# KiCad board ClockIOT.kicad_pcb (continued)
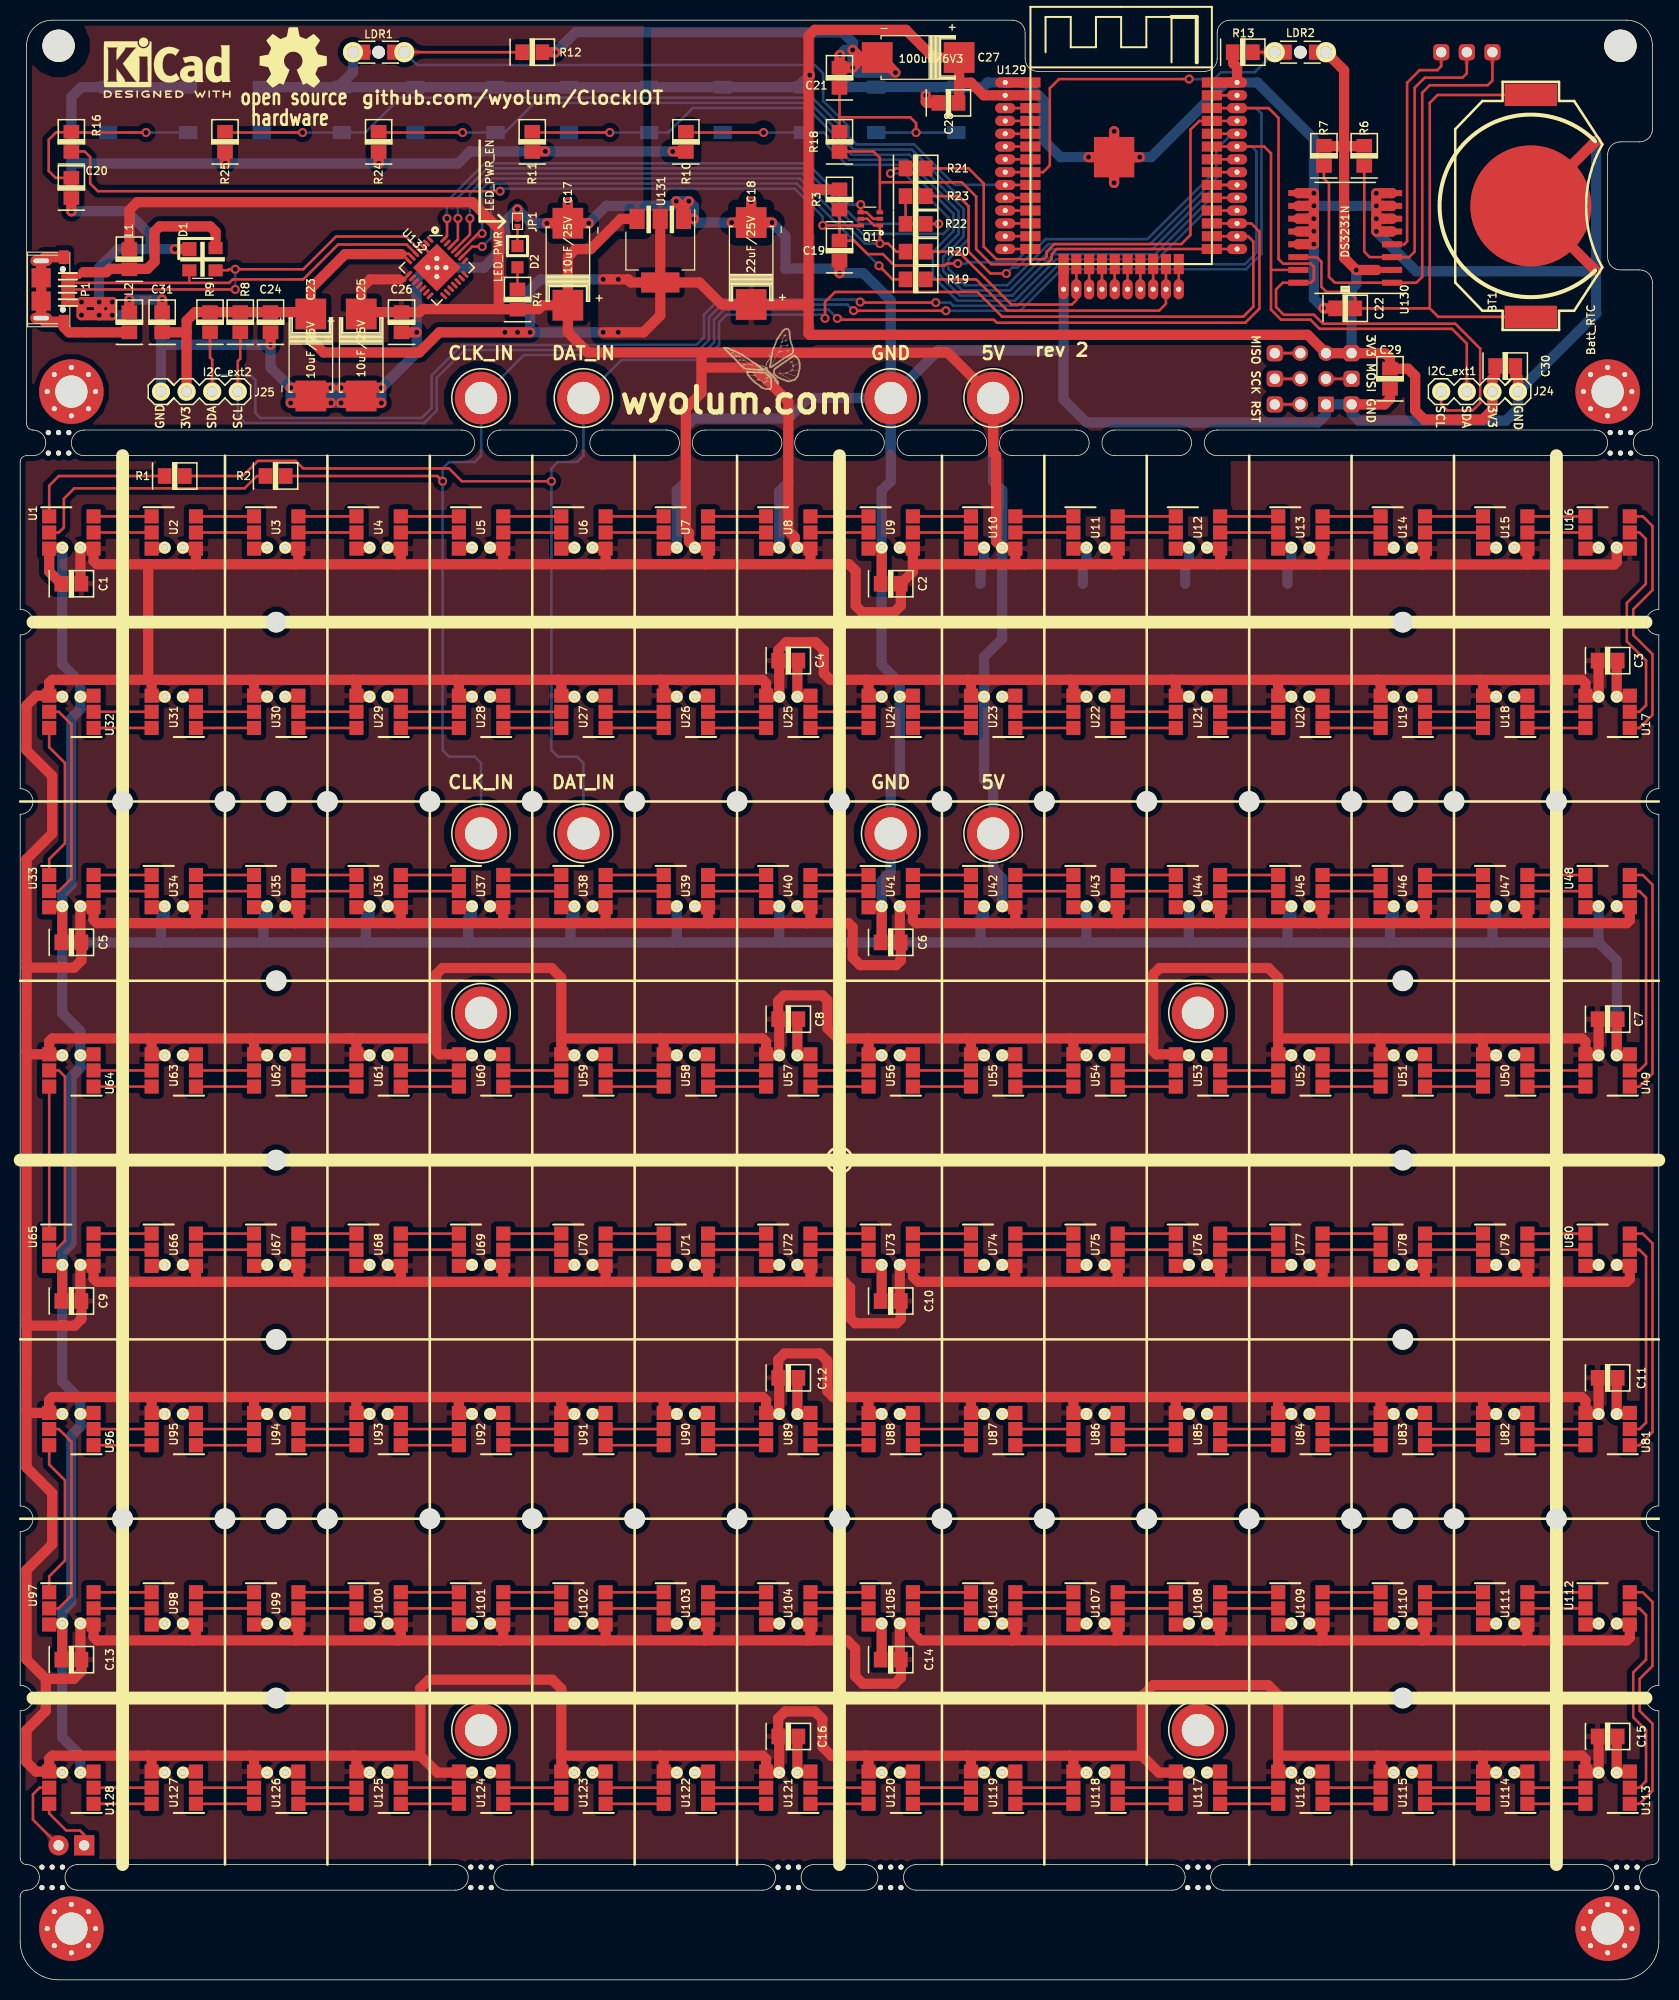
[diagram p0: board, top side]
## Nets
/3V3: C18.1 C23.1 C24.1 C27.1 C28.1 C29.1 C30.2 C31.2 J18.1 J20.2 J24.3 J25.3 LDR1.1 LDR2.1 R3.1 R6.1 R7.1 R8.1 R9.1 S1.1 S1.3 S2.1 S2.3 S5.1 S5.3 S6.1 S6.3 U129.2 U130.2 U131.2 U132.6 U132.7
/5V: C1.1 C2.1 C3.2 C4.2 C5.1 C6.1 C7.2 C8.2 C9.1 C10.1 C11.2 C12.2 C13.1 C14.1 C15.2 C16.2 C17.1 C25.1 C26.1 J7.1 J15.1 L1.1 R4.2 U1.4 U2.4 U3.4 U4.4 U5.4 U6.4 U7.4 U8.4 U9.4 U10.4 U11.4 U12.4 U13.4 U14.4 U15.4 U16.4 U17.4 U18.4 U19.4 U20.4 U21.4 U22.4 U23.4 U24.4 U25.4 U26.4 U27.4 U28.4 U29.4 U30.4 U31.4 U32.4 U33.4 U34.4 U35.4 U36.4 U37.4 U38.4 U39.4 U40.4 U41.4 U42.4 U43.4 U44.4 U45.4 U46.4 U47.4 U48.4 U49.4 U50.4 U51.4 U52.4 U53.4 U54.4 U55.4 U56.4 U57.4 U58.4 U59.4 U60.4 U61.4 U62.4 U63.4 U64.4 U65.4 U66.4 U67.4 U68.4 U69.4 U70.4 U71.4 U72.4 U73.4 U74.4 U75.4 U76.4 U77.4 U78.4 U79.4 U80.4 U81.4 U82.4 U83.4 U84.4 U85.4 U86.4 U87.4 U88.4 U89.4 U90.4 U91.4 U92.4 U93.4 U94.4 U95.4 U96.4 U97.4 U98.4 U99.4 U100.4 U101.4 U102.4 U103.4 U104.4 U105.4 U106.4 U107.4 U108.4 U109.4 U110.4 U111.4 U112.4 U113.4 U114.4 U115.4 U116.4 U117.4 U118.4 U119.4 U120.4 U121.4 U122.4 U123.4 U124.4 U125.4 U126.4 U127.4 U128.4 U131.3 U132.8
GND: BT1.2 C1.2 C2.2 C3.1 C4.1 C5.2 C6.2 C7.1 C8.1 C9.2 C10.2 C11.1 C12.1 C13.2 C14.2 C15.1 C16.1 C17.2 C18.2 C19.2 C20.2 C21.1 C22.2 C23.2 C24.2 C25.2 C26.2 C27.2 C28.2 C29.2 C30.1 C31.1 D1.1 J8.1 J16.1 J20.6 J23.1 J24.4 J25.4 JP1.1 L2.1 P1.5 R10.2 R11.2 R12.1 R13.2 R24.2 R25.2 S3.1 S3.3 S4.1 S4.3 U1.3 U2.3 U3.3 U4.3 U5.3 U6.3 U7.3 U8.3 U9.3 U10.3 U11.3 U12.3 U13.3 U14.3 U15.3 U16.3 U17.3 U18.3 U19.3 U20.3 U21.3 U22.3 U23.3 U24.3 U25.3 U26.3 U27.3 U28.3 U29.3 U30.3 U31.3 U32.3 U33.3 U34.3 U35.3 U36.3 U37.3 U38.3 U39.3 U40.3 U41.3 U42.3 U43.3 U44.3 U45.3 U46.3 U47.3 U48.3 U49.3 U50.3 U51.3 U52.3 U53.3 U54.3 U55.3 U56.3 U57.3 U58.3 U59.3 U60.3 U61.3 U62.3 U63.3 U64.3 U65.3 U66.3 U67.3 U68.3 U69.3 U70.3 U71.3 U72.3 U73.3 U74.3 U75.3 U76.3 U77.3 U78.3 U79.3 U80.3 U81.3 U82.3 U83.3 U84.3 U85.3 U86.3 U87.3 U88.3 U89.3 U90.3 U91.3 U92.3 U93.3 U94.3 U95.3 U96.3 U97.3 U98.3 U99.3 U100.3 U101.3 U102.3 U103.3 U104.3 U105.3 U106.3 U107.3 U108.3 U109.3 U110.3 U111.3 U112.3 U113.3 U114.3 U115.3 U116.3 U117.3 U118.3 U119.3 U120.3 U121.3 U122.3 U123.3 U124.3 U125.3 U126.3 U127.3 U128.3 U129.1 U129.15 U129.38 U129.39 U130.5 U130.6 U130.7 U130.8 U130.9 U130.10 U130.11 U130.12 U130.13 U131.1 U132.3 U132.29
/CI_A: R2.2 U1.2
/CI_B: U16.5 U17.2
/CI_C: U32.5 U33.2
/CI_D: U48.5 U49.2
/CI_E: U64.5 U65.2
/CI_F: U80.5 U81.2
/CI_G: U96.5 U97.2
/CI_H: U112.5 U113.2
/CLK: U129.20
/CLK_IN: J1.1 J9.1 R2.1 U129.27
/CLK_OUT: P2.2 U128.5
/CMD: U129.19
/DAT_IN: J2.1 J10.1 R1.1 U129.26
/DAT_OUT: P2.1 U128.6
/DI_A: R1.2 U1.1
/DI_B: U16.6 U17.1
/DI_C: U32.6 U33.1
/DI_D: U48.6 U49.1
/DI_E: U64.6 U65.1
/DI_F: U80.6 U81.1
/DI_G: U96.6 U97.1
/DI_H: U112.6 U113.1
/DTR: Q1.2 Q1.4 U132.28
/EN: C19.1 Q1.6 R3.2 R16.2 U129.3
/esp_pwr_uart/CTS: R19.2 U132.23
/esp_pwr_uart/RTS: Q1.1 Q1.5 R20.2 U132.24
/esp_pwr_uart/RXD: R21.2 U132.25
/esp_pwr_uart/TXD: R22.2 R23.2
/esp_pwr_uart/USB_D+: D1.3 P1.3 U132.4
/esp_pwr_uart/USB_D-: D1.2 P1.2 U132.5
/IO0: Q1.3 R18.2 U129.25
/IO2: U129.24
/IO12: U129.14
/IO13: R20.1 U129.16
/IO14: U129.13
/IO15: R19.1 U129.23
/IO23: U129.37
/IO25: U129.10
/IO26: U129.11
/IO27: U129.12
/IO34: U129.6
/IO35: U129.7
/LDR1: LDR1.2 R12.2 U129.9
/LDR2: LDR2.2 R13.1 U129.8
/MISO: J17.1 J20.1
/MOSI: J20.4 J21.1
/NC: U129.32
/RST: J20.5 J22.1
/rtc_ds3231/32kHz: R7.2 TP3.1 U130.1
/rtc_ds3231/BAT: BT1.1 C22.1 U130.14
/rtc_ds3231/RESET: TP1.1 U130.4
/rtc_ds3231/SQR: R6.2 TP2.1 U130.3
/RXD0: R23.1 U129.34
/SCK: J19.1 J20.3
/SCL: J24.1 J25.1 R8.2 U129.36 U130.16
/SD2: U129.17
/SD3: U129.18
/SDA: J24.2 J25.2 R9.2 U129.33 U130.15
/SDI: U129.22
/SDO: U129.21
/SENSOR_VN: U129.5
/SENSOR_VP: U129.4
/SW_D: R24.1 S5.2 S5.4 U129.30
/SW_E: R10.1 S1.2 S1.4 U129.28
/SW_I: R11.1 S2.2 S2.4 U129.29
/SW_M: R25.1 S6.2 S6.4 U129.31
/TXD0: R21.1 U129.35
Net-(C20-Pad1): C20.1 R16.1 S3.2 S3.4
Net-(C21-Pad2): C21.2 R18.1 S4.2 S4.4
Net-(D1-Pad4): D1.4 L1.2 P1.1
Net-(D2-Pad1): D2.1 R4.1
Net-(D2-Pad2): D2.2 JP1.2
Net-(L2-Pad2): L2.2 P1.6
Net-(R22-Pad1): R22.1 U132.26
Net-(U1-Pad5): U1.5 U2.2
Net-(U1-Pad6): U1.6 U2.1
Net-(U2-Pad5): U2.5 U3.2
Net-(U2-Pad6): U2.6 U3.1
Net-(U3-Pad5): U3.5 U4.2
Net-(U3-Pad6): U3.6 U4.1
Net-(U4-Pad5): U4.5 U5.2
Net-(U4-Pad6): U4.6 U5.1
Net-(U5-Pad5): U5.5 U6.2
Net-(U5-Pad6): U5.6 U6.1
Net-(U6-Pad5): U6.5 U7.2
Net-(U6-Pad6): U6.6 U7.1
Net-(U7-Pad5): U7.5 U8.2
Net-(U7-Pad6): U7.6 U8.1
Net-(U8-Pad5): U8.5 U9.2
Net-(U8-Pad6): U8.6 U9.1
Net-(U10-Pad1): U9.6 U10.1
Net-(U10-Pad2): U9.5 U10.2
Net-(U10-Pad5): U10.5 U11.2
Net-(U10-Pad6): U10.6 U11.1
Net-(U11-Pad5): U11.5 U12.2
Net-(U11-Pad6): U11.6 U12.1
Net-(U12-Pad5): U12.5 U13.2
Net-(U12-Pad6): U12.6 U13.1
Net-(U13-Pad5): U13.5 U14.2
Net-(U13-Pad6): U13.6 U14.1
Net-(U14-Pad5): U14.5 U15.2
Net-(U14-Pad6): U14.6 U15.1
Net-(U15-Pad5): U15.5 U16.2
Net-(U15-Pad6): U15.6 U16.1
Net-(U17-Pad5): U17.5 U18.2
Net-(U17-Pad6): U17.6 U18.1
Net-(U18-Pad5): U18.5 U19.2
Net-(U18-Pad6): U18.6 U19.1
Net-(U19-Pad5): U19.5 U20.2
Net-(U19-Pad6): U19.6 U20.1
Net-(U20-Pad5): U20.5 U21.2
Net-(U20-Pad6): U20.6 U21.1
Net-(U21-Pad5): U21.5 U22.2
Net-(U21-Pad6): U21.6 U22.1
Net-(U22-Pad5): U22.5 U23.2
Net-(U22-Pad6): U22.6 U23.1
Net-(U23-Pad5): U23.5 U24.2
Net-(U23-Pad6): U23.6 U24.1
Net-(U24-Pad5): U24.5 U25.2
Net-(U24-Pad6): U24.6 U25.1
Net-(U25-Pad5): U25.5 U26.2
Net-(U25-Pad6): U25.6 U26.1
Net-(U26-Pad5): U26.5 U27.2
Net-(U26-Pad6): U26.6 U27.1
Net-(U27-Pad5): U27.5 U28.2
Net-(U27-Pad6): U27.6 U28.1
Net-(U28-Pad5): U28.5 U29.2
Net-(U28-Pad6): U28.6 U29.1
Net-(U29-Pad5): U29.5 U30.2
Net-(U29-Pad6): U29.6 U30.1
Net-(U30-Pad5): U30.5 U31.2
Net-(U30-Pad6): U30.6 U31.1
Net-(U31-Pad5): U31.5 U32.2
Net-(U31-Pad6): U31.6 U32.1
Net-(U33-Pad5): U33.5 U34.2
Net-(U33-Pad6): U33.6 U34.1
Net-(U34-Pad5): U34.5 U35.2
Net-(U34-Pad6): U34.6 U35.1
Net-(U35-Pad5): U35.5 U36.2
Net-(U35-Pad6): U35.6 U36.1
Net-(U36-Pad5): U36.5 U37.2
Net-(U36-Pad6): U36.6 U37.1
Net-(U37-Pad5): U37.5 U38.2
Net-(U37-Pad6): U37.6 U38.1
Net-(U38-Pad5): U38.5 U39.2
Net-(U38-Pad6): U38.6 U39.1
Net-(U39-Pad5): U39.5 U40.2
Net-(U39-Pad6): U39.6 U40.1
Net-(U40-Pad5): U40.5 U41.2
Net-(U40-Pad6): U40.6 U41.1
Net-(U41-Pad5): U41.5 U42.2
Net-(U41-Pad6): U41.6 U42.1
Net-(U42-Pad5): U42.5 U43.2
Net-(U42-Pad6): U42.6 U43.1
Net-(U43-Pad5): U43.5 U44.2
Net-(U43-Pad6): U43.6 U44.1
Net-(U44-Pad5): U44.5 U45.2
Net-(U44-Pad6): U44.6 U45.1
Net-(U45-Pad5): U45.5 U46.2
Net-(U45-Pad6): U45.6 U46.1
Net-(U46-Pad5): U46.5 U47.2
Net-(U46-Pad6): U46.6 U47.1
Net-(U47-Pad5): U47.5 U48.2
Net-(U47-Pad6): U47.6 U48.1
Net-(U49-Pad5): U49.5 U50.2
Net-(U49-Pad6): U49.6 U50.1
Net-(U50-Pad5): U50.5 U51.2
Net-(U50-Pad6): U50.6 U51.1
Net-(U51-Pad5): U51.5 U52.2
Net-(U51-Pad6): U51.6 U52.1
Net-(U52-Pad5): U52.5 U53.2
Net-(U52-Pad6): U52.6 U53.1
Net-(U53-Pad5): U53.5 U54.2
Net-(U53-Pad6): U53.6 U54.1
Net-(U54-Pad5): U54.5 U55.2
Net-(U54-Pad6): U54.6 U55.1
Net-(U55-Pad5): U55.5 U56.2
Net-(U55-Pad6): U55.6 U56.1
Net-(U56-Pad5): U56.5 U57.2
Net-(U56-Pad6): U56.6 U57.1
Net-(U57-Pad5): U57.5 U58.2
Net-(U57-Pad6): U57.6 U58.1
Net-(U58-Pad5): U58.5 U59.2
Net-(U58-Pad6): U58.6 U59.1
Net-(U59-Pad5): U59.5 U60.2
Net-(U59-Pad6): U59.6 U60.1
Net-(U60-Pad5): U60.5 U61.2
Net-(U60-Pad6): U60.6 U61.1
Net-(U61-Pad5): U61.5 U62.2
Net-(U61-Pad6): U61.6 U62.1
Net-(U62-Pad5): U62.5 U63.2
Net-(U62-Pad6): U62.6 U63.1
Net-(U63-Pad5): U63.5 U64.2
Net-(U63-Pad6): U63.6 U64.1
Net-(U65-Pad5): U65.5 U66.2
Net-(U65-Pad6): U65.6 U66.1
Net-(U66-Pad5): U66.5 U67.2
Net-(U66-Pad6): U66.6 U67.1
Net-(U67-Pad5): U67.5 U68.2
Net-(U67-Pad6): U67.6 U68.1
Net-(U68-Pad5): U68.5 U69.2
Net-(U68-Pad6): U68.6 U69.1
Net-(U69-Pad5): U69.5 U70.2
Net-(U69-Pad6): U69.6 U70.1
Net-(U70-Pad5): U70.5 U71.2
Net-(U70-Pad6): U70.6 U71.1
Net-(U71-Pad5): U71.5 U72.2
Net-(U71-Pad6): U71.6 U72.1
Net-(U72-Pad5): U72.5 U73.2
Net-(U72-Pad6): U72.6 U73.1
Net-(U73-Pad5): U73.5 U74.2
Net-(U73-Pad6): U73.6 U74.1
Net-(U74-Pad5): U74.5 U75.2
Net-(U74-Pad6): U74.6 U75.1
Net-(U75-Pad5): U75.5 U76.2
Net-(U75-Pad6): U75.6 U76.1
Net-(U76-Pad5): U76.5 U77.2
Net-(U76-Pad6): U76.6 U77.1
Net-(U77-Pad5): U77.5 U78.2
Net-(U77-Pad6): U77.6 U78.1
Net-(U78-Pad5): U78.5 U79.2
Net-(U78-Pad6): U78.6 U79.1
Net-(U79-Pad5): U79.5 U80.2
Net-(U79-Pad6): U79.6 U80.1
Net-(U81-Pad5): U81.5 U82.2
Net-(U81-Pad6): U81.6 U82.1
Net-(U82-Pad5): U82.5 U83.2
Net-(U82-Pad6): U82.6 U83.1
Net-(U83-Pad5): U83.5 U84.2
Net-(U83-Pad6): U83.6 U84.1
Net-(U84-Pad5): U84.5 U85.2
Net-(U84-Pad6): U84.6 U85.1
Net-(U85-Pad5): U85.5 U86.2
Net-(U85-Pad6): U85.6 U86.1
Net-(U86-Pad5): U86.5 U87.2
Net-(U86-Pad6): U86.6 U87.1
Net-(U87-Pad5): U87.5 U88.2
Net-(U87-Pad6): U87.6 U88.1
Net-(U88-Pad5): U88.5 U89.2
Net-(U88-Pad6): U88.6 U89.1
Net-(U89-Pad5): U89.5 U90.2
Net-(U89-Pad6): U89.6 U90.1
Net-(U90-Pad5): U90.5 U91.2
Net-(U90-Pad6): U90.6 U91.1
Net-(U91-Pad5): U91.5 U92.2
Net-(U91-Pad6): U91.6 U92.1
Net-(U92-Pad5): U92.5 U93.2
Net-(U92-Pad6): U92.6 U93.1
Net-(U93-Pad5): U93.5 U94.2
Net-(U93-Pad6): U93.6 U94.1
Net-(U94-Pad5): U94.5 U95.2
Net-(U94-Pad6): U94.6 U95.1
Net-(U95-Pad5): U95.5 U96.2
Net-(U95-Pad6): U95.6 U96.1
Net-(U97-Pad5): U97.5 U98.2
Net-(U97-Pad6): U97.6 U98.1
Net-(U98-Pad5): U98.5 U99.2
Net-(U98-Pad6): U98.6 U99.1
Net-(U100-Pad1): U99.6 U100.1
Net-(U100-Pad2): U99.5 U100.2
Net-(U100-Pad5): U100.5 U101.2
Net-(U100-Pad6): U100.6 U101.1
Net-(U101-Pad5): U101.5 U102.2
Net-(U101-Pad6): U101.6 U102.1
Net-(U102-Pad5): U102.5 U103.2
Net-(U102-Pad6): U102.6 U103.1
Net-(U103-Pad5): U103.5 U104.2
Net-(U103-Pad6): U103.6 U104.1
Net-(U104-Pad5): U104.5 U105.2
Net-(U104-Pad6): U104.6 U105.1
Net-(U105-Pad5): U105.5 U106.2
Net-(U105-Pad6): U105.6 U106.1
Net-(U106-Pad5): U106.5 U107.2
Net-(U106-Pad6): U106.6 U107.1
Net-(U107-Pad5): U107.5 U108.2
Net-(U107-Pad6): U107.6 U108.1
Net-(U108-Pad5): U108.5 U109.2
Net-(U108-Pad6): U108.6 U109.1
Net-(U109-Pad5): U109.5 U110.2
Net-(U109-Pad6): U109.6 U110.1
Net-(U110-Pad5): U110.5 U111.2
Net-(U110-Pad6): U110.6 U111.1
Net-(U111-Pad5): U111.5 U112.2
Net-(U111-Pad6): U111.6 U112.1
Net-(U113-Pad5): U113.5 U114.2
Net-(U113-Pad6): U113.6 U114.1
Net-(U114-Pad5): U114.5 U115.2
Net-(U114-Pad6): U114.6 U115.1
Net-(U115-Pad5): U115.5 U116.2
Net-(U115-Pad6): U115.6 U116.1
Net-(U116-Pad5): U116.5 U117.2
Net-(U116-Pad6): U116.6 U117.1
Net-(U117-Pad5): U117.5 U118.2
Net-(U117-Pad6): U117.6 U118.1
Net-(U118-Pad5): U118.5 U119.2
Net-(U118-Pad6): U118.6 U119.1
Net-(U119-Pad5): U119.5 U120.2
Net-(U119-Pad6): U119.6 U120.1
Net-(U120-Pad5): U120.5 U121.2
Net-(U120-Pad6): U120.6 U121.1
Net-(U121-Pad5): U121.5 U122.2
Net-(U121-Pad6): U121.6 U122.1
Net-(U122-Pad5): U122.5 U123.2
Net-(U122-Pad6): U122.6 U123.1
Net-(U123-Pad5): U123.5 U124.2
Net-(U123-Pad6): U123.6 U124.1
Net-(U124-Pad5): U124.5 U125.2
Net-(U124-Pad6): U124.6 U125.1
Net-(U125-Pad5): U125.5 U126.2
Net-(U125-Pad6): U125.6 U126.1
Net-(U126-Pad5): U126.5 U127.2
Net-(U126-Pad6): U126.6 U127.1
Net-(U127-Pad5): U127.5 U128.2
Net-(U127-Pad6): U127.6 U128.1

Pads without a net: HB47 1; HB48 1; HB49 1; HB50 1; HB51 1; HB52 1; HB53 1; HB54 1; P1 4; U132 1 2 9 10 11 12 13 14 15 16 17 18 19 20 21 22 27

## Via types
v1: diameter 0.9, hole 0.5, Top to Bottom, 97 vias

## Routing (per net, layer and track width the routed paths; a pad name or vN(x,y) marks a point on that pad's centre or on a via; arc(x,y) is an arc through that point)
/3V3: length 365.9
  Top w0.254: 37.88,171.11 37.84,171.11 ; 37.88,171.11 37.94,171.17 38.52,171.17 U132.6 ; 37.88,171.11 U132.7 ; LDR2.1 127.95,191.14
  Top w0.508: 134.59,169.54 134.59,169.55 U130.2
  Top w1.016: LDR1.1 34.32,191.14 ; 93.15,188.11 93.15,186.17 C28.1 ; 93.15,188.11 C27.1 ; 93.15,188.11 94.34,188.11 95.59,186.86 U129.2 U129.2 ; 131.34,181.81 133.34,181.81 ; 131.34,181.81 129.34,181.81 ; 131.34,181.81 131.34,189.34 LDR2.1 ; 131.34,181.81 131.34,170.75 v1(132.55,169.54) 134.59,169.54 ; C23.1 28.65,165.36 C24.1 R8.1 R9.1 17.37,165.36 16.51,164.5 16.51,163.36 ; C23.1 28.84,162.63 30.11,161.36 39.59,161.36 41.59,163.36 v1(48.09,163.36) v1(49.34,163.36) v1(50.59,163.36) ; C23.1 28.84,167.71 32.23,171.11 37.84,171.11 ; 78.21,177.58 78.25,177.53 R3.1 ; 78.21,177.58 78.21,188.73 v1(78.34,188.86) 78.21,188.99 78.21,192.73 78.83,193.35 87.87,193.35 90.61,190.61 C27.1 ; 78.21,177.58 78.21,166.13 ; C31.2 16.51,163.36 ; 16.51,163.36 J25.3 ; U131.2 63.5,165.03 61.84,163.36 v1(59.34,163.36) v1(57.84,163.36) ; U131.2 60.58,168.3 60.34,168.55 60.34,168.61 v1(59.34,168.61) v1(57.84,168.61) ; U131.2 U131.2 ; U131.2 67.4,168.3 69.58,166.12 C18.1 78.19,166.12 78.21,166.13 ; C27.1 93.09,190.55 ; C30.2 146.32,159.05 146.05,158.78 J24.3 146.05,155.68 145.09,154.71 139.28,154.71 138.39,155.61 138.39,159.05 137.68,159.75 C29.1 135.89,160.81 135.41,161.29 J18.1 J20.2 127.72,163.11 78.34,163.11 78.21,163.24 78.21,166.13
  Bottom w1.016: S6.3 31.91,188.04 33.02,189.15 LDR1.1 ; S6.3 S5.1 S5.3 S2.1 S2.3 S1.1 S1.3 77.63,188.16 v1(78.34,188.86) ; S6.3 S6.1 ; v1(59.34,163.36) v1(57.84,163.36) v1(50.59,163.36) ; J18.1 132.08,167.66 132.55,168.12 v1(132.55,169.54) ; v1(50.59,163.36) v1(49.34,163.36) v1(48.09,163.36) ; v1(50.59,163.36) 50.59,167.61 51.59,168.61 v1(57.84,168.61) v1(59.34,168.61)
/5V: length 2162.6
  Top w0.254: U132.8 38.09,168.64 38.09,168.61
  Top w0.508: 37.59,168.61 38.09,168.61
  Top w1.016: 149.52,140.34 158.12,140.34 158.38,140.6 158.38,142.01 159.58,142.01 U16.4 ; 149.52,140.34 U15.4 149.42,142.01 148.22,142.01 ; 149.52,140.34 139.06,140.34 ; U34.4 17.34,106.45 U34.4 17.44,105.07 17.15,104.78 ; 47.63,140.36 47.92,140.66 47.92,141.91 47.82,142.01 46.62,142.01 ; 47.63,140.36 37.46,140.36 ; 47.63,140.36 57.79,140.36 ; 83.82,57.79 93.34,57.79 ; 83.82,57.79 80.66,57.79 80.09,58.36 80.09,61.36 79.34,62.11 75.83,62.11 75.2,61.48 C12.2 75.3,59.59 U89.4 74.1,56.11 U89.4 74,57.45 73.66,57.79 63.5,57.79 ; 83.82,57.79 84.16,57.45 84.16,56.21 84.26,56.11 U88.4 ; 93.34,57.79 93.95,57.79 94.32,57.42 U87.4 94.42,56.11 U87.4 ; 93.34,57.79 104.14,57.79 ; 12.84,140.36 12.7,140.23 12.7,128.91 ; 12.84,140.36 7.62,140.36 7.28,140.7 U1.4 7.18,142.01 U1.4 5.98,138.53 C1.1 ; 12.84,140.36 17.15,140.36 ; 63.5,22.23 53.68,22.23 ; 63.5,22.23 73.66,22.23 74,21.89 U121.4 74.1,20.55 U121.4 75.3,24.03 C16.2 75.2,25.92 75.89,26.61 78.84,26.61 79.59,25.86 79.59,23.11 80.47,22.23 83.82,22.23 ; 63.5,22.23 63.84,21.89 U122.4 63.94,20.55 U122.4 ; 53.68,22.23 53.68,28.87 52.79,29.76 40.55,29.76 39.7,28.91 39.7,22.23 ; 53.68,22.23 U123.4 53.78,20.55 U123.4 ; 134.62,93.35 124.8,93.35 ; 134.62,93.35 144.78,93.35 ; 134.62,93.35 134.96,93.01 U51.4 135.06,91.67 U51.4 ; 124.8,93.35 124.8,99.36 123.83,100.33 113.03,100.33 112.4,99.7 112.4,93.35 ; 124.8,93.35 U52.4 124.9,91.67 U52.4 ; 67.94,140.36 68.24,140.66 U7.4 68.14,142.01 U7.4 66.34,142.61 66.34,143.5 66.04,143.81 66.04,155.81 67.59,157.36 67.59,159.86 ; 67.94,140.36 78.11,140.36 ; 67.94,140.36 57.79,140.36 ; U44.4 118.94,106.45 U44.4 119.04,105.07 118.75,104.78 ; 22.86,128.91 33.02,128.91 ; 22.86,128.91 12.7,128.91 ; 22.86,128.91 23.2,128.56 U30.4 23.3,127.23 U30.4 ; 33.02,128.91 43.18,128.91 ; 33.02,128.91 33.36,128.56 U29.4 33.46,127.23 U29.4 ; 47.63,69.22 47.92,69.51 47.92,70.79 47.82,70.89 46.62,70.89 ; 47.63,69.22 57.79,69.22 ; 47.63,69.22 37.46,69.22 ; C17.1 54.34,163.36 56.34,161.36 67.59,161.36 ; C17.1 54.34,170.86 55.09,171.61 56.59,171.61 59.57,174.6 61.2,174.6 ; C17.1 51.79,166.05 51.41,165.66 49.34,165.66 ; 114.3,128.91 124.46,128.91 ; 114.3,128.91 114.64,128.56 U21.4 114.74,127.23 U21.4 ; 114.3,128.91 104.14,128.91 ; 124.46,128.91 124.8,128.56 U20.4 124.9,127.23 U20.4 ; 124.46,128.91 134.62,128.91 ; 17.15,33.66 27.3,33.66 ; 17.15,33.66 17.44,33.95 U98.4 17.34,35.33 U98.4 ; 17.15,33.66 7.62,33.66 7.28,34 U97.4 7.18,35.33 U97.4 5.98,31.85 C13.1 6.08,30.61 5.31,29.85 2.54,29.85 ; 27.3,33.66 37.46,33.66 ; 27.3,33.66 27.6,33.95 U99.4 27.5,35.33 U99.4 ; 37.46,104.78 47.63,104.78 ; 37.46,104.78 27.3,104.78 ; 37.46,104.78 37.76,105.07 U36.4 37.66,106.45 U36.4 ; 47.63,104.78 47.92,105.07 47.92,106.35 47.82,106.45 46.62,106.45 ; 47.63,104.78 57.79,104.78 ; U103.4 68.14,35.33 U103.4 68.24,33.95 67.94,33.66 ; 22.86,93.35 32.99,93.35 33.36,92.98 U61.4 33.46,91.67 U61.4 ; 22.86,93.35 12.7,93.35 ; 22.86,93.35 23.2,93.01 U62.4 23.3,91.67 U62.4 ; 128.91,69.22 139.06,69.22 ; 128.91,69.22 118.75,69.22 ; 128.91,69.22 129.2,69.51 U77.4 129.1,70.89 U77.4 ; 139.06,69.22 149.22,69.22 ; 139.06,69.22 139.36,69.51 U78.4 139.26,70.89 U78.4 ; 98.43,104.78 98.72,105.07 U42.4 98.62,106.45 U42.4 ; 98.43,104.78 88.86,104.78 88.56,105.07 U41.4 88.46,106.45 U41.4 87.26,102.97 C6.1 87.36,101.08 86.89,100.61 83.34,100.61 82.59,101.36 82.59,104.36 82.17,104.78 78.11,104.78 ; 98.43,104.78 108.84,104.78 ; 43.18,57.79 43.52,57.45 U92.4 43.62,56.11 U92.4 ; 43.18,57.79 53.34,57.79 ; 43.18,57.79 33.02,57.79 ; 78.11,33.66 78.4,33.95 U104.4 78.3,35.33 U104.4 ; 78.11,33.66 82.04,33.66 82.84,32.86 82.84,30.11 83.59,29.36 86.76,29.36 87.36,29.96 C14.1 87.26,31.85 U105.4 88.46,35.33 U105.4 88.56,34.43 89.34,33.66 98.43,33.66 ; 78.11,33.66 67.94,33.66 ; 114.3,57.79 124.46,57.79 ; 114.3,57.79 114.64,57.45 U85.4 114.74,56.11 U85.4 ; 114.3,57.79 104.14,57.79 ; 124.46,57.79 124.8,57.45 U84.4 124.9,56.11 U84.4 ; 124.46,57.79 133.99,57.79 ; 158.38,70.89 159.58,70.89 U80.4 159.68,69.51 159.39,69.22 149.22,69.22 ; U2.4 17.34,142.01 U2.4 17.44,140.66 17.15,140.36 ; U55.4 94.42,91.67 U55.4 94.32,93.01 93.98,93.35 ; 37.46,33.66 37.76,33.95 U100.4 37.66,35.33 U100.4 ; 37.46,33.66 47.63,33.66 ; 49.34,165.66 48.29,165.66 ; 49.34,165.66 47.48,165.66 ; U96.4 0.94,56.21 0.63,56.52 ; U96.4 2.98,56.11 U96.4 ; U96.4 2.88,57.49 3.18,57.79 12.7,57.79 ; 67.94,69.22 68.24,69.51 U71.4 68.14,70.89 U71.4 ; 67.94,69.22 57.79,69.22 ; 67.94,69.22 78.11,69.22 ; 12.7,128.91 3.18,128.91 2.88,128.61 U32.4 ; 12.7,128.91 13.04,128.56 U31.4 13.14,127.23 U31.4 ; U35.4 27.5,106.45 U35.4 27.6,105.07 27.3,104.78 ; 149.22,104.78 159.39,104.78 159.68,105.07 U48.4 159.58,106.45 158.38,106.45 ; 149.22,104.78 149.52,105.07 U47.4 149.42,106.45 148.22,106.45 ; 149.22,104.78 139.06,104.78 ; 53.34,57.79 53.68,57.45 U91.4 53.78,56.11 U91.4 ; 53.34,57.79 63.5,57.79 ; U72.4 78.3,70.89 U72.4 78.4,69.51 78.11,69.22 ; 43.18,128.91 53.34,128.91 ; 43.18,128.91 43.52,128.56 U28.4 43.62,127.23 U28.4 ; 53.34,128.91 63.5,128.91 ; 53.34,128.91 53.68,128.56 U27.4 53.78,127.23 U27.4 ; 104.14,128.91 104.48,128.56 U22.4 104.58,127.23 U22.4 ; 104.14,128.91 93.98,128.91 ; 111.28,22.23 112.96,20.55 U117.4 114.74,20.55 U117.4 ; 111.28,22.23 104.14,22.23 ; 111.28,22.23 111.28,28.1 112.41,29.22 123.81,29.22 124.8,28.24 124.8,22.23 ; 37.59,168.61 34.73,168.61 33.84,167.71 C25.1 34.02,165.36 C26.1 39.63,165.36 39.92,165.66 47.48,165.66 ; 12.7,57.79 12.7,57.76 13.04,57.42 U95.4 13.14,56.11 U95.4 ; 12.7,57.79 22.86,57.79 ; 134.62,128.91 134.62,128.88 134.96,128.54 U19.4 135.06,127.23 U19.4 ; 134.62,128.91 144.78,128.91 ; 124.8,22.23 134.62,22.23 ; 124.8,22.23 U116.4 124.9,20.55 U116.4 ; 12.7,22.23 3.18,22.23 2.88,21.93 U128.4 ; 12.7,22.23 22.86,22.23 ; 12.7,22.23 13.04,21.89 U127.4 13.14,20.55 U127.4 ; U64.4 2.98,91.67 U64.4 ; 112.4,93.35 104.14,93.35 ; 112.4,93.35 112.4,92.08 112.7,91.77 U53.4 114.74,91.67 U53.4 ; 83.82,128.91 93.98,128.91 ; 83.82,128.91 80.38,128.91 79.72,129.56 79.72,131.82 78.92,132.63 76,132.63 75.2,131.84 C4.2 75.3,130.71 U25.4 74.1,127.23 U25.4 74,128.54 73.66,128.88 73.66,128.91 63.5,128.91 ; 83.82,128.91 84.16,128.56 84.16,127.33 84.26,127.23 U24.4 ; 93.98,128.91 94.32,128.56 U23.4 94.42,127.23 U23.4 ; 104.14,22.23 93.98,22.23 ; 104.14,22.23 104.48,21.89 U118.4 104.58,20.55 U118.4 ; 78.11,140.36 82.22,140.36 82.89,139.7 82.89,136.24 83.52,135.61 86.71,135.61 87.36,136.27 C2.1 87.36,138.44 88.56,139.64 88.56,140.66 ; 78.11,140.36 78.4,140.66 U8.4 78.3,142.01 U8.4 76.84,142.28 76.84,143.05 76.2,143.68 76.2,156.5 72.84,159.86 67.59,159.86 ; 144.78,93.35 145.12,93.01 145.12,91.77 145.22,91.67 U50.4 ; 144.78,93.35 154.94,93.35 155.28,93.01 155.28,91.77 155.38,91.67 U49.4 156.58,95.15 C7.2 ; 104.14,57.79 104.48,57.45 U86.4 104.58,56.11 U86.4 ; 148.22,70.89 149.42,70.89 U79.4 149.52,69.51 149.22,69.22 ; 134.62,22.23 134.96,21.89 U115.4 135.06,20.55 U115.4 ; 134.62,22.23 144.78,22.23 ; 99.68,140.36 98.43,140.36 98.72,140.66 U10.4 98.62,142.01 U10.4 96.82,142.61 96.82,151.14 96.52,151.44 J7.1 92.03,161.34 75.35,161.34 75.34,161.36 67.59,161.36 ; 99.68,140.36 88.86,140.36 88.56,140.66 ; 99.68,140.36 108.59,140.36 ; U119.4 94.42,20.55 U119.4 94.32,21.89 93.98,22.23 ; 57.79,69.22 58.08,69.51 U70.4 57.98,70.89 56.78,70.89 ; U128.4 2.98,20.55 U128.4 ; 2.54,29.85 0.63,31.75 0.63,40.64 3.18,43.18 3.18,48.26 0.63,50.8 0.63,56.52 ; 2.54,29.85 2.54,26.67 0.63,24.77 0.63,21.59 1.58,20.65 U128.4 ; 17.15,140.36 27.3,140.36 ; U82.4 145.22,56.11 145.12,56.21 145.12,57.45 144.78,57.79 ; U109.4 129.1,35.33 U109.4 129.2,33.95 128.91,33.66 ; 108.59,33.66 108.88,33.95 U107.4 108.78,35.33 U107.4 ; 108.59,33.66 98.43,33.66 ; 108.59,33.66 118.75,33.66 ; 0.63,92.08 0.94,91.77 U64.4 ; 0.63,92.08 0.65,100.36 ; 0.63,92.08 0.63,65.41 0.65,64.86 ; 139.06,104.78 139.36,105.07 U46.4 139.26,106.45 U46.4 ; 139.06,104.78 128.91,104.78 ; 57.79,140.36 58.08,140.66 U6.4 57.98,142.01 56.78,142.01 ; 0.63,56.52 0.65,64.86 ; 33.02,57.79 33.36,57.45 U93.4 33.46,56.11 U93.4 ; 33.02,57.79 22.86,57.79 ; 0.65,100.36 0.63,100.97 0.63,111.12 3.18,113.67 3.18,119.38 0.63,121.92 0.63,126.37 1.6,127.33 U32.4 ; 0.65,100.36 5.36,100.36 6.08,101.08 C5.1 5.98,102.97 U33.4 7.18,106.45 U33.4 7.28,105.12 7.62,104.78 17.15,104.78 ; 139.06,33.66 149.22,33.66 ; 139.06,33.66 128.91,33.66 ; 139.06,33.66 139.36,33.95 U110.4 139.26,35.33 U110.4 ; 149.22,33.66 149.52,33.95 U111.4 149.42,35.33 148.22,35.33 ; 149.22,33.66 159.39,33.66 159.68,33.95 U112.4 159.58,35.33 158.38,35.33 ; 0.65,64.86 5.42,64.86 6.08,65.52 C9.1 5.98,67.41 U65.4 7.18,70.89 U65.4 7.28,69.56 7.62,69.22 17.15,69.22 ; 144.78,128.91 154.94,128.91 155.28,128.56 155.28,127.33 155.38,127.23 U17.4 156.58,130.71 C3.2 ; 144.78,128.91 145.12,128.56 145.12,127.33 145.22,127.23 U18.4 ; 128.91,104.78 129.2,105.07 U45.4 129.1,106.45 U45.4 ; 128.91,104.78 118.75,104.78 ; U32.4 2.98,127.23 U32.4 ; 27.3,69.22 37.46,69.22 ; 27.3,69.22 17.15,69.22 ; 27.3,69.22 27.6,69.51 U67.4 27.5,70.89 U67.4 ; 37.46,69.22 37.76,69.51 U68.4 37.66,70.89 U68.4 ; U125.4 33.46,20.55 U125.4 33.36,21.89 33.02,22.23 ; U90.4 63.94,56.11 U90.4 63.84,57.45 63.5,57.79 ; 41.27,93.35 32.38,93.35 ; 41.27,93.35 41.27,92.08 41.58,91.77 U60.4 43.62,91.67 U60.4 ; 41.27,93.35 41.27,99.7 41.91,100.33 52.71,100.33 53.68,99.36 53.68,93.35 ; U63.4 13.14,91.67 U63.4 13.04,93.01 12.7,93.35 ; 128.91,33.66 118.75,33.66 ; 78.11,69.22 81.73,69.22 82.34,68.61 82.34,65.61 82.84,65.11 86.95,65.11 87.36,65.52 C10.1 87.26,67.41 U73.4 88.46,70.89 U73.4 88.56,69.74 89.09,69.22 98.43,69.22 ; U56.4 84.26,91.67 84.16,91.77 84.16,93.27 84.09,93.35 ; C15.2 156.58,24.03 U113.4 155.38,20.55 155.28,20.65 155.28,21.89 154.94,22.23 144.78,22.23 ; 27.3,104.78 17.15,104.78 ; 56.78,35.33 57.98,35.33 U102.4 58.08,33.95 57.79,33.66 ; 84.09,93.35 81.1,93.35 80.09,94.36 80.09,97.11 79.59,97.61 75.77,97.61 75.2,97.04 C8.2 75.3,95.15 U57.4 74.1,91.67 U57.4 74,93.01 73.66,93.35 63.5,93.35 ; 84.09,93.35 93.98,93.35 ; 98.43,33.66 98.72,33.95 U106.4 98.62,35.33 U106.4 ; 57.79,33.66 47.63,33.66 ; 57.79,33.66 67.94,33.66 ; U83.4 135.06,56.11 U83.4 134.96,57.42 134.59,57.79 133.99,57.79 ; 67.59,159.86 67.59,161.36 ; 88.56,140.66 U9.4 88.46,142.01 U9.4 ; 37.46,140.36 37.76,140.66 U4.4 37.66,142.01 U4.4 ; 37.46,140.36 27.3,140.36 ; 118.75,104.78 108.84,104.78 ; U26.4 63.94,127.23 U26.4 63.84,128.56 63.5,128.91 ; 83.82,22.23 93.98,22.23 ; 83.82,22.23 84.16,21.89 84.16,20.65 84.26,20.55 U120.4 ; U12.4 118.94,142.01 U12.4 119.04,140.66 118.75,140.36 ; 108.59,140.36 118.75,140.36 ; 108.59,140.36 108.88,140.66 U11.4 108.78,142.01 U11.4 ; 118.75,140.36 121.86,140.36 121.88,140.34 128.91,140.34 ; U124.4 43.62,20.55 U124.4 41.38,20.55 39.7,22.23 ; C11.2 156.58,59.59 U81.4 155.38,56.11 155.28,56.21 155.28,57.42 154.91,57.79 144.78,57.79 ; 22.86,22.23 23.2,21.89 U126.4 23.3,20.55 U126.4 ; 22.86,22.23 33.02,22.23 ; 10.84,171.56 10.84,175.48 11.62,176.26 44.85,176.26 47.49,173.63 47.49,165.67 47.48,165.66 ; 56.78,106.45 57.98,106.45 U38.4 58.08,105.07 57.79,104.78 ; 12.7,93.35 3.18,93.35 2.88,93.05 U64.4 ; U14.4 139.26,142.01 U14.4 139.36,140.63 139.06,140.34 ; 47.63,33.66 47.92,33.95 47.92,35.23 47.82,35.33 46.62,35.33 ; U43.4 108.78,106.45 U43.4 108.88,104.82 108.84,104.78 ; 17.15,69.22 17.44,69.51 U66.4 17.34,70.89 U66.4 ; 128.91,140.34 129.2,140.63 U13.4 129.1,142.01 U13.4 ; 128.91,140.34 139.06,140.34 ; 63.5,93.35 53.68,93.35 ; 63.5,93.35 63.84,93.01 U58.4 63.94,91.67 U58.4 ; 53.68,93.35 U59.4 53.78,91.67 U59.4 ; 118.75,69.22 119.04,69.51 U76.4 118.94,70.89 U76.4 ; 118.75,69.22 108.59,69.22 ; 108.59,69.22 108.88,69.51 U75.4 108.78,70.89 U75.4 ; 108.59,69.22 98.43,69.22 ; 118.75,33.66 119.04,33.95 U108.4 118.94,35.33 U108.4 ; 144.78,22.23 145.12,21.89 145.12,20.65 145.22,20.55 U114.4 ; 22.86,57.79 23.2,57.45 U94.4 23.3,56.11 U94.4 ; 98.43,69.22 98.72,69.51 U74.4 98.62,70.89 U74.4 ; 39.7,22.23 33.02,22.23 ; 57.79,104.78 68.33,104.78 ; 68.33,104.78 68.24,104.86 U39.4 68.14,106.45 U39.4 ; 68.33,104.78 78.11,104.78 ; 133.99,57.79 144.78,57.79 ; 104.14,93.35 93.98,93.35 ; 104.14,93.35 104.48,93.01 U54.4 104.58,91.67 U54.4 ; 78.11,104.78 78.4,105.07 U40.4 78.3,106.45 U40.4 ; 27.3,140.36 27.6,140.66 U3.4 27.5,142.01 U3.4